# KiCad board B1_panel.kicad_pcb (continued)
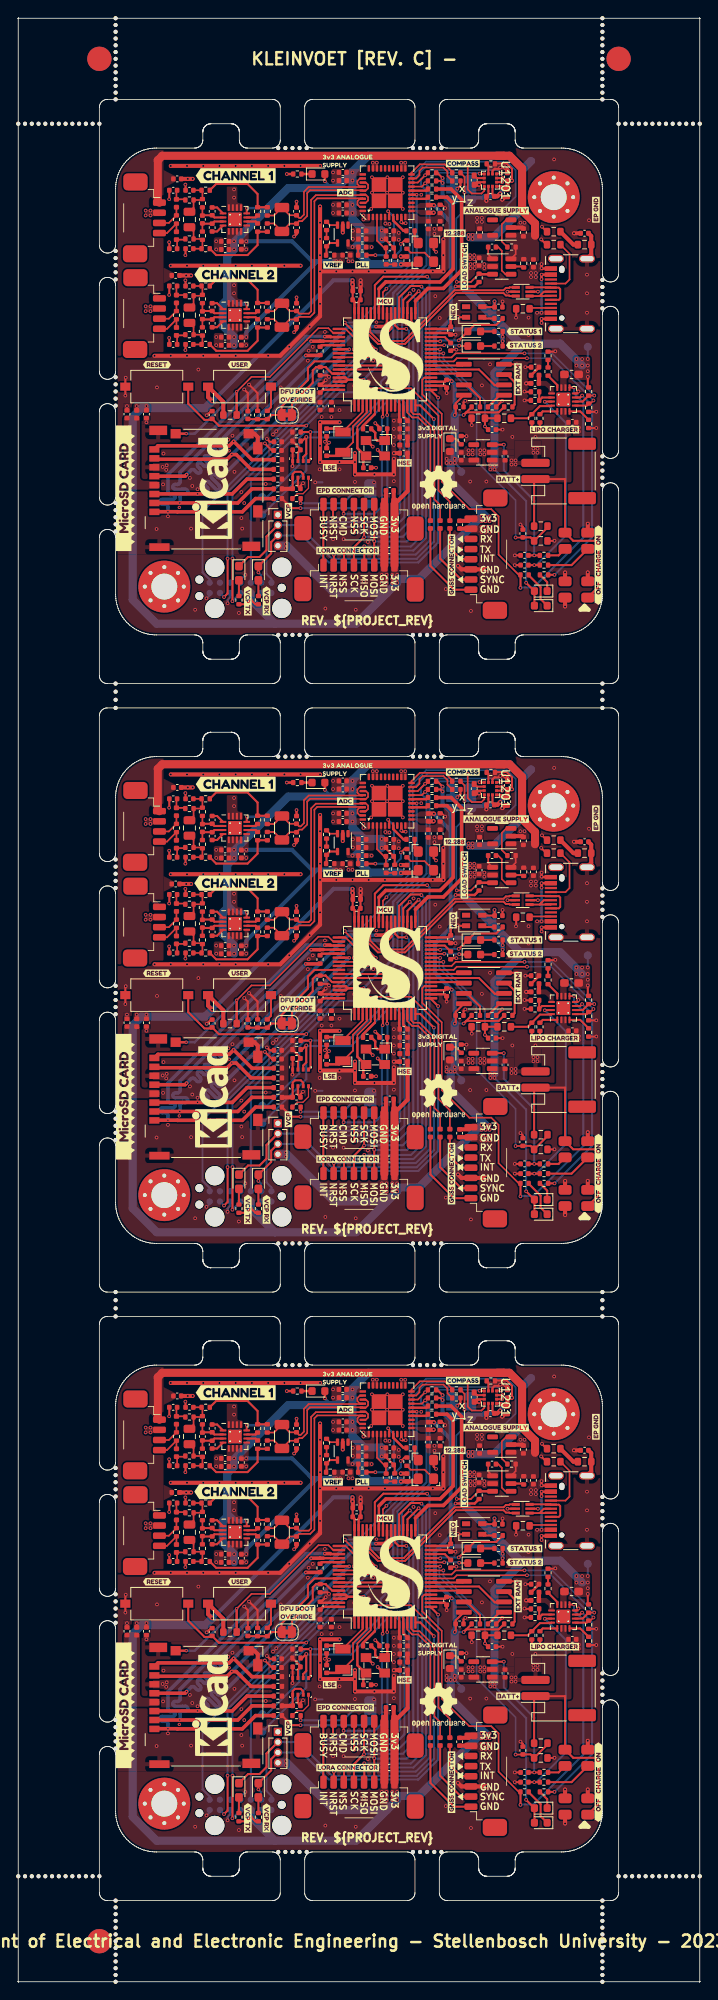
[diagram p0: board, top side]
## Routing (per net, layer and track width the routed paths; a pad name or vN(x,y) marks a point on that pad's centre or on a via; arc(x,y) is an arc through that point) (continued)
Board1_0-Net-(D102-A): length 1.9
  Top w0.25: D102.2 R103.2
Board1_0-Net-(D103-A): length 1.7
  Top w0.25: D103#3.2 R105#3.1
Board1_0-Net-(D104-A): length 1.7
  Top w0.25: D104#2.2 R107#3.1
Board1_0-Net-(D105-DIN): length 1.6
  Top w0.25: R104.1 57.35,205 D105#2.3
Board1_0-Net-(D901-K): length 2.4
  Top w0.25: R905#2.2 65.2,172.5 D901#2.1
Board1_0-Net-(D902-K): length 4.7
  Top w0.25: D902#2.1 64.38,170.41 64.38,171.88 62.92,173.35 R908#3.2
Board1_0-Net-(D903-K): length 1.3
  Top w0.3: D903#2.1 R918#3.2
Board1_0-Net-(D904-K): length 1.7
  Top w0.25: D904.1 53.9,190.19 R919#3.2
Board1_0-Net-(J301-Pin_5): length 5.6
  Top w0.25: J301.5 54.57,175.32 53.2,176.7 FB304.2
Board1_0-Net-(JP401-C): length 2.7
  Top w0.2: v1(55,220.5) 55.01,220.51 55.01,222.45 R408#3.2
Board1_0-Net-(JP402-C): length 1.1
  Top w0.25: R407#3.2 54.51,221.39 v1(54.12,220.99)
Board1_0-Net-(R108-Pad2): length 3.2
  Top w0.25: SW102#2.2 31.15,194.06 R108#3.2
Board1_0-Net-(R210-Pad2): length 2.8
  Top w0.5: R210.2 68.43,214.1 R211.1
Board1_0-Net-(R902-Pad2): length 0.9
  Top w0.25: R902#2.2 R903#3.1
Board1_0-Net-(U401-ADDR0/CLATCH): length 6.9
  Top w0.2: U401#2.19 49.05,222.25 49.45,222.65 49.45,223.2 49.85,223.6 52.41,223.6 52.9,223.11 52.9,222.54 R407#3.1
Board1_0-Net-(U401-ADDR1/CIN): length 6.2
  Top w0.2: U401#2.20 48.47,222.97 49.5,224 52.57,224 53.49,223.08 R408#3.1
Board1_0-Net-(U903-EN): length 4.5
  Top w0.2: R921.1 59.6,214.49 59.6,216.6 60.15,217.15 U903.3
Board1_0-Net-(U904-QOD): length 1.6
  Top w0.25: R922#3.1 62.19,211.4 U904#3.5
Board1_0-Net-(U1301-NU): length 4.9
  Top w0.25: U1301#3.3 60.25,198.09 61.18,197.16 61.18,194.37 R1301.2
Board1_0-Net-(U1301-~{CS}): length 2.6
  Top w0.25: U1301#3.1 59.34,195.55 R1303.1
Board1_0-Net-(U1301-~{HOLD}): length 3.8
  Top w0.25: R1302#3.2 56.91,195.21 55.3,196.81 U1301#3.7
Board1_0-Net-(X401-Tri-State): length 4
  Top w0.2: R404#2.2 48.38,213.11 50.09,213.11 X401#2.1
Board1_0-VBUS: length 9.7
  Top w0.25: U201#2.5 v1(64.05,208.3)
  Top w0.3: J206#3.A9 v1(64.5,210.4) v1(64.5,209.85) ; 63.22,198 64.18,198.97 C904#3.1
  Bottom w0.3: 64.5,208.3 v1(64.05,208.3) ; 64.5,208.3 v1(64.5,210.4) ; 64.5,208.3 v1(64.5,205.7) v1(63.95,205.7)
Board1_0-VCC: length 66.9
  Top w0.2: U904#3.1 57.92,212.89 C912#2.2
  Top w0.25: D902#2.2 D901#2.2 v1(62.6,172.42) ; D105#2.4 57.25,206.4 CB108#2.1 58.72,207.08 v1(58.7,207.1) ; v1(70.2,197.8) 70.2,196.61 R912.2
  Bottom w0.25: v1(58.7,186.4) 62.6,182.5 v1(62.6,172.42) ; 70.5,201.5 70.2,201.2 v1(70.2,200)
  Bottom w0.5: v1(58.7,207.1) 58.7,205.05 59,204.75
  Bottom w1: 62.33,201.9 66.8,201.9 v1(69.5,199.2) ; 62.33,201.9 58.7,198.27 v1(58.7,186.9) ; 62.33,201.9 61.85,201.9 54.9,208.85 54.9,210.85 54.9,210.85 54.9,212.25 55.05,212.4
  vias: v1(55.7,212.8) v1(55.7,212.3) v1(56.2,212.8) v1(56.2,212.3) v1(58.2,186.9) v1(58.2,186.4) v1(68.8,200) v1(68.8,199.2) v1(69.5,200) v1(70.2,199.2) v1(70.2,198.5)
Board1_0-VCC_LOAD_SWITCH: length 62.6
  Top w0.2: R921.2 61.31,212.92 U904#3.6
  Top w1: J501#3.4 17.2,219.47 17.2,224.5 17.75,225.05 59.85,225.05 59.85,225.05 ; 63.7,215.2 63.7,216.7 62.1,218.3 62.1,223.5 60.55,225.05 59,225.05
Board1_1-+3.3VA: length 3.1
  Top w0.3: CB902.1 47.98,117.44 47.45,117.97 U101#2.13
  Top w0.5: FB901#3.2 47.98,114.41 C902#2.1
Board1_1-+3.3VADC: length 114.6
  Top w0.2: v1(47.16,139.18) 47.58,139.61 R404#3.1
  Top w0.25: C403.1 45.32,139.67 46.4,138.59 R414#2.2 ; R413#3.2 41.89,138.77 C415.1 ; U801.12 28.16,131.76 v1(28.2,131.8) ; v1(28.2,143.6) 28.16,143.56 U701.12
  Top w0.3: v1(37.8,146.9) 37.8,147.79 D903.2
  Top w0.5: v1(47.17,136.65) 47.19,136.67 CB401.1 48.97,136.67 X401#3.4
  Bottom w0.25: v1(47.16,139.18) 47.16,138.44 45.42,136.7 43.3,136.7
  Bottom w0.3: v1(28.2,143.6) 30.8,143.6 31,143.8 ; 39.28,146.07 38.62,146.07 v1(37.8,146.9)
  Bottom w0.5: 25.75,133 26.95,131.8 v1(28.2,131.8) ; 42.15,139.43 41.83,139.43 v1(41.2,138.8)
  Bottom w1: v1(41.2,148) 39.28,146.07 33.28,146.07 26.6,139.4 v1(26.6,138.51) 25.75,137.66 25.75,132.32 25.2,131.77 25.2,129.11 v1(26.6,127.71) v1(26.6,126.71) ; v1(41.2,148) 41.2,148.11 43.14,150.05 60.55,150.05 62.1,148.5 ; v1(41.2,148) v1(41.2,147) v1(41.2,144) v1(41.2,143) 41.2,142.24 ; 42.15,140.7 42.15,137.85 43.3,136.7 47.12,136.7 ; 55.65,140 58.6,140 62.1,143.5 62.1,148.5 ; 62.1,148.5 62.3,148.5 TP904#2.1 ; v1(44.8,139.75) v1(44.8,140.85) 42.59,140.85 41.2,142.24 ; 41.2,142.24 42.15,141.29 42.15,139.43
  vias: v1(26.6,139.51) v1(55.5,140.3) v1(55.5,139.8) v1(56,140.3) v1(56,139.8)
Board1_1-+3V3: length 290.7
  Top w0.25: 53.44,122.37 v1(53.44,122.26) 53.27,122.43 CB104.1 ; v1(52.3,147.3) 51.65,147.95 R410.2 ; U1201#3.10 59.46,146.29 v1(59.6,146.15) ; CB1409#2.1 33.82,109.03 33.82,110.82 34.1,111.1 34.82,111.1 35.12,110.8 U1401#2.6 ; R1301#2.1 59.22,118.43 55.23,118.43 v1(54.9,118.1) 55.89,119.09 R1302#2.1 ; U1301#2.8 53.92,119.54 CB1301#2.1 53.92,118.22 v1(53.8,118.1) ; v1(52.3,146.7) 52.05,146.95 R412#2.2 ; v1(60.85,146.97) 60.86,146.99 60.86,148.44 60.2,149.1 58.81,149.1 R1201#2.1 ; v1(34.79,106.62) 33.69,106.62 R201.2 ; R107#2.2 59.71,127.19 v1(59.7,127.2) ; v1(59.71,127.75) R105.2 ; R102#3.1 29.22,94.78 v1(28.67,95.33) 28.12,94.78 R103#3.1 ; C107#2.1 41.22,133.38 CB105.1 ; U1401#2.2 34.47,113.5 CB1410.1 34.78,113.91 R1401.2 ; CB1202#2.1 58.45,145.28 U1201#3.9
  Top w0.3: CB105.1 41.45,132.07 U101#2.48 ; CB103#3.1 37.55,121.21 U101#2.64 ; R920#2.2 56.25,133.94 v1(53.9,133.94) ; U101#2.32 53.03,128.71 CB101#2.1 v1(53.3,129.9) ; CB104.1 52.58,122.21 U101#2.19
  Top w0.5: CB1202#2.1 59.05,145.05 v1(59.4,145.4) ; v1(51.23,143.95) 51.2,143.98 C408#2.1 ; v1(41.2,134.7) v1(41.2,134.2) 41.24,134.16 C107#2.1 ; v1(60.85,146.97) 60.31,146.97 C1202#2.1 CB1201#2.1 59.82,145.93 v1(59.6,146.15) ; R206#2.1 25.28,119.72 SW102.1 23.4,120.3 v1(23.9,119.8) ; R202.2 33.79,109 CB1409#2.1 ; C306#2.1 55.53,105.06 J301#3.1 ; C205#2.1 46.28,107.19 J207#2.1 47.98,108.71 C901.1
  Top w1: J207#2.1 J205.1
  Bottom w0.25: JP1401.3 42.92,106.62 v1(34.79,106.62) ; v1(59.7,127.2) 59.7,127.74 v1(59.71,127.75) ; v1(53.8,112.2) 54.6,111.4 TP903#2.1 ; v1(53.8,118.1) v1(54.9,118.1)
  Bottom w0.3: v1(36.2,120.6) 35.9,120.3 v1(35.9,120.2) v1(31.8,116.1) v1(31.4,115.7) ; 53.3,132.1 53.3,133.34 v1(53.9,133.94)
  Bottom w0.5: v1(23.9,119.8) 23.95,119.8 38.85,134.7 v1(41.2,134.7) ; 52.07,128.68 51.35,127.95 51.35,124.35 53.8,121.9 v1(53.8,118.1) ; 52.07,128.68 58.62,128.68 59.7,127.6 v1(59.7,127.2) ; 52.07,128.68 v1(53.3,129.9) 53.3,141.75 ; v1(51.23,143.95) 53.3,141.88 53.3,141.75 ; 53.3,141.75 53.3,143.8 ; 53.3,143.8 53.3,144.4 ; 53.3,143.8 53.3,144.15 ; 53.3,144.15 52.3,145.15 v1(52.3,146.7) v1(52.3,147.3) ; 53.3,144.15 53.3,144.9 57.25,144.9 57.45,145.1 57.95,145.1 57.95,145.1 59.1,145.1 v1(59.4,145.4) 59.6,145.6 v1(59.6,146.15)
  Bottom w1: 31.63,92.37 17.06,92.37 14.1,95.33 14.1,117.85 15.2,118.95 23.05,118.95 v1(23.9,119.8) ; 31.63,92.37 41.65,92.37 45.44,96.16 ; 31.63,92.37 v1(28.67,95.33) 28.67,96.16 ; 45.44,96.16 38.94,96.16 33.11,101.99 J203#3.4 ; 45.44,96.16 46.7,97.43 46.6,97.5 v1(46.7,97.9) 49.4,97.9 v1(57.1,105.6) v1(57.6,105.6) 53.3,109.9 v1(53.3,112.2) ; v1(53.8,112.7) v1(53.8,118.1)
  vias: v1(14.6,119.2) v1(15.8,119.2) v1(33,102.2) v1(33,101.7) v1(46.1,98.4) v1(46.1,97.9) v1(46.1,97.4) v1(46.7,98.4) v1(46.7,97.4) v1(52.8,112.7) v1(52.8,112.2) v1(57.1,105) v1(57.6,105) v1(58.1,105.6) v1(58.1,105)
Board1_1-+BATT: length 27.9
  Top w0.25: SW901#3.1 71.5,96.9 71.5,102.2 71.1,102.6 68.4,102.6 SW901#3.8 67.4,110.2 J201.1 63.58,110.03 R913.1
Board1_1-/ADC_Interface/ADC_1_N: length 17.9
  Top w0.2: U401#3.32 42.11,147.25 41.8,146.94 41.8,146.56 42.11,146.25 U401#3.34 42.41,146.2 35.8,146.2 35.21,145.61 35.21,142.8 34.82,142.4 34.62,142.4 C711#2.1 33.46,142.72 C710#3.2 31.51,142.69 R710#3.1
Board1_1-/ADC_Interface/ADC_1_P: length 17.9
  Top w0.2: U401#3.33 42.85,146.75 43.12,146.49 43.12,146.04 42.82,145.75 U401#3.35 42.41,145.8 35.97,145.8 35.61,145.45 35.61,142.63 34.98,142 34.62,142 C709#2.2 33.46,141.68 32.5,140.72 31.51,141.71 R709#3.1
Board1_1-/ADC_Interface/ADC_2_N: length 28.8
  Top w0.2: R810#2.1 31.51,130.89 C810.2 33.46,130.92 C811#2.1 34.62,130.6 35.82,130.6 36.1,130.88 36.1,144.61 36.69,145.2 42.41,145.2 U401#3.36 42.82,145.25 43.12,144.96 43.12,144.54 42.82,144.25 U401#3.38
Board1_1-/ADC_Interface/ADC_2_P: length 28.8
  Top w0.2: R809.1 31.51,129.91 C810.1 33.46,129.88 C809#3.2 34.62,130.2 35.98,130.2 36.5,130.72 36.5,144.45 36.85,144.8 42.41,144.8 U401#3.37 42.11,144.75 41.81,144.46 41.81,144.03 42.1,143.75 U401#3.39
Board1_1-/ADC_Interface/ADC_AA_1/FB: length 1.6
  Top w0.25: C706.1 24.51,140.72 U701.4
Board1_1-/ADC_Interface/ADC_AA_1/FB_N: length 4.9
  Top w0.2: C703#2.2 21.61,140.74 R701#2.1 22.59,139.8 R703#2.2 22.7,138.71 R705#3.2 C701#2.1
Board1_1-/ADC_Interface/ADC_AA_1/FB_P: length 4.9
  Top w0.2: C703#2.1 21.61,143.66 R702#2.1 22.59,144.6 R704#2.2 22.7,145.69 R706#3.2 C702.1
Board1_1-/ADC_Interface/ADC_AA_1/IN: length 3.7
  Top w0.2: R704#2.1 C704.1
  Top w0.25: C704.1 22.74,142.72 C707.2 24.17,142.45 U701.2
Board1_1-/ADC_Interface/ADC_AA_1/OUT: length 1.4
  Top w0.25: R707#2.2 29.26,141.95 U701.10
Board1_1-/ADC_Interface/ADC_AA_1/OUT_DRIVER: length 9.6
  Top w0.25: R705#3.1 24.4,137.81 28.26,137.81 29.5,139.05 R707#2.1 R709#3.2
Board1_1-/ADC_Interface/ADC_AA_1/~{FB}: length 1.6
  Top w0.25: C707.1 24.51,143.68 U701.1
Board1_1-/ADC_Interface/ADC_AA_1/~{IN}: length 3.7
  Top w0.2: R703#2.1 C704.2
  Top w0.25: U701.3 24.17,141.95 C706.2 22.74,141.68 C704.2
Board1_1-/ADC_Interface/ADC_AA_1/~{OUT_DRIVER}: length 9.6
  Top w0.25: 29.5,143.7 29.5,145.34 28.26,146.57 24.38,146.57 R706#3.1 ; R710#3.2 R708#2.1
Board1_1-/ADC_Interface/ADC_AA_1/~{OUT}: length 1.4
  Top w0.25: U701.11 29.26,142.45 R708#2.2
Board1_1-/ADC_Interface/ADC_AA_2/FB: length 1.6
  Top w0.25: C806.1 24.51,128.92 U801.4
Board1_1-/ADC_Interface/ADC_AA_2/FB_N: length 4.9
  Top w0.2: C803#3.2 21.61,128.94 R801.1 22.59,128 R803.2 22.7,126.91 R805#2.2 C801.1
Board1_1-/ADC_Interface/ADC_AA_2/FB_P: length 4.9
  Top w0.2: C802#3.1 R806.2 22.7,133.89 R804.2 22.59,132.8 R802#2.1 21.61,131.86 C803#3.1
Board1_1-/ADC_Interface/ADC_AA_2/IN: length 3.7
  Top w0.2: R804.1 C804#3.1
  Top w0.25: U801.2 24.17,130.65 C807#2.2 22.74,130.92 C804#3.1
Board1_1-/ADC_Interface/ADC_AA_2/OUT: length 1.4
  Top w0.25: U801.10 29.26,130.15 R807#3.2
Board1_1-/ADC_Interface/ADC_AA_2/OUT_DRIVER: length 9.6
  Top w0.25: R809.2 R807#3.1 29.5,127.25 28.26,126.01 24.4,126.01 R805#2.1
Board1_1-/ADC_Interface/ADC_AA_2/~{FB}: length 1.6
  Top w0.25: C807#2.1 24.51,131.88 U801.1
Board1_1-/ADC_Interface/ADC_AA_2/~{IN}: length 3.7
  Top w0.2: R803.1 C804#3.2
  Top w0.25: C804#3.2 22.74,129.88 C806.2 24.17,130.15 U801.3
Board1_1-/ADC_Interface/ADC_AA_2/~{OUT_DRIVER}: length 9.6
  Top w0.25: 29.5,131.9 29.5,133.54 28.26,134.78 24.38,134.78 R806.1 ; R810#2.2 R808#3.1
Board1_1-/ADC_Interface/ADC_AA_2/~{OUT}: length 1.4
  Top w0.25: R808#3.2 29.26,130.65 U801.11
Board1_1-/ADC_Interface/ADC_PORT_1_SIG_N: length 2.3
  Top w0.2: C502#3.2 19.58,139.63 FB502#2.2 20.5,139.72 R701#2.2
Board1_1-/ADC_Interface/ADC_PORT_1_SIG_P: length 2.3
  Top w0.2: C501#2.1 19.5,145.72 FB501#2.2 20.5,144.69 R702#2.2
Board1_1-/ADC_Interface/ADC_PORT_2_SIG_N: length 2.3
  Top w0.2: R801.2 20.5,127.91 FB602.2 19.58,127.84 C602#2.2
Board1_1-/ADC_Interface/ADC_PORT_2_SIG_P: length 2.3
  Top w0.2: C601.1 19.5,133.92 19.5,132.88 20.5,132.88 R802#2.2
Board1_1-/ADC_Interface/ADC_~{RST}: length 9.2
  Top w0.2: v1(45.59,143.21) 45.72,143.09 U401#3.6
  Top w0.25: R413#3.1 v1(44.02,137.8)
  Bottom w0.25: v1(44.02,137.8) 45.2,137.8 46.3,138.9 46.3,142.5 v1(45.59,143.21)
Board1_1-/ADC_Interface/BCLK: length 2.1
  Top w0.3: R409.2 50.29,145.75 48.47,145.75 U401#3.16
Board1_1-/ADC_Interface/CLK: length 2.6
  Top w0.3: R405.1 47.48,140.8 46.22,142.07 U401#3.7
Board1_1-/ADC_Interface/CLK_12.288: length 1.7
  Top w0.3: R405.2 48.86,139.74 X401#3.3
Board1_1-/ADC_Interface/FB: length 1.5
  Top w0.2: U402#3.3 38.41,141.5 R401#2.2
Board1_1-/ADC_Interface/FB_MID: length 1
  Top w0.2: R401#2.1 R402#3.2
Board1_1-/ADC_Interface/PLL: length 5.5
  Top w0.2: C413#2.1 45.32,137.66 C414#2.1 45.11,138.7 44.22,139.59 U401#3.3
Board1_1-/ADC_Interface/PLL_MID: length 1.1
  Top w0.2: C413#2.2 46.37,136.67 R414#2.1
Board1_1-/ADC_Interface/SDATA: length 2.1
  Top w0.3: U401#3.14 48.47,144.75 50.29,144.75 R411.2
Board1_1-/ADC_Interface/Sensor_Conn_1/SIG_CONN_N: length 3.6
  Top w0.2: J501.1 18.34,140.53 R501#3.2 FB502#2.1
Board1_1-/ADC_Interface/Sensor_Conn_1/SIG_CONN_P: length 3.5
  Top w0.2: FB501#2.1 R501#3.1 18.56,141.78 J501.2
Board1_1-/ADC_Interface/Sensor_Conn_2/SIG_CONN_N: length 3.6
  Top w0.2: J601.1 18.34,128.72 R601#2.2 19.5,128.88
Board1_1-/ADC_Interface/Sensor_Conn_2/SIG_CONN_P: length 3.5
  Top w0.2: FB601.1 R601#2.1 18.56,129.97 J601.2
Board1_1-/ADC_Interface/VCM: length 27.4
  Bottom w0.5: v1(28.1,139.51) 33.74,139.51 36.2,137.05 v1(39.2,137.05) 36.85,137.05 28.1,128.3 v1(28.1,127.71)
  vias: v1(39.7,137.05)
Board1_1-/ADC_Interface/VREF_BUFF: length 2.6
  Top w0.25: U402#3.4 38.41,139.3 R402#3.1 38,137.86 R406.2
Board1_1-/ADC_SAI_BCLK: length 21.2
  Top w0.3: U101#2.33 48.95,132.15
  Top w0.44: 48.95,132.15 50.5,133.7 52.4,133.7 54.65,135.95 54.65,144.65 53.35,145.95 R409.1
Board1_1-/ADC_SAI_FS: length 30.5
  Top w0.3: U401#3.15 v2(49.12,145.25) ; 40.6,122.45 40.34,122.71 U101#2.61 ; 40.6,122.45 40.36,122.21 U101#2.62 ; 40.6,122.45 42.54,122.45 v2(42.57,122.47)
  Bottom w0.3: v2(42.57,122.47) 42.57,122.48 46.2,126.11 46.2,133.11 49.1,136.01 49.1,145.22 v2(49.12,145.25)
Board1_1-/ADC_SAI_SD_B: length 23.7
  Top w0.3: 44.45,133.65 U101#2.42
  Top w0.44: 44.45,133.65 45.3,134.5 52,134.5 53.6,136.1 53.6,144.2 52.85,144.95 R411.1
Board1_1-/BATT_~{CHG}: length 63.4
  Top w0.2: U101#2.20 50.06,122.71 49.8,122.45 49.8,120.65 52.2,118.25 52.2,109.9 55.6,106.5 58.3,106.5 59.2,105.6 59.2,100.89 61.69,98.4 R908.1
  Top w0.25: v1(68.5,121.5) 67.97,121.5 U901.9 ; R908.1 61.9,98.4 v1(61.9,96.8)
  Bottom w0.25: v1(68.5,121.5) 68.5,120.76 69.65,119.61 69.65,103 63.5,96.85 61.95,96.85 v1(61.9,96.8)
Board1_1-/BOOT0: length 10.3
  Top w0.25: JP101#2.1 33.75,119.53 36.3,122.08 36.3,123.6 36.71,124.01 R101#2.1 37.89,124.01 37.9,124 37.9,123.99 38.68,123.21 U101#2.60
Board1_1-/CHARGE_EN1: length 25.1
  Top w0.2: R912#3.1 70.31,120.5 v1(71,120.5) ; U101#2.25 50.88,125.2 53.41,125.2 53.91,125.7 v1(62.4,125.7)
  Top w0.25: R912#3.1 69.57,119.76 U901.6
  Bottom w0.2: v1(62.4,125.7) 65.8,125.7 v1(71,120.5)
Board1_1-/CHARGE_EN2: length 24.8
  Top w0.2: U101#2.24 53.67,124.71 54.06,125.1 v1(62.7,125.1) ; v1(70.9,119.89) 70.52,119.51 R917.1
  Top w0.25: U901.5 70.05,119.26 R917.1
  Bottom w0.2: v1(62.7,125.1) 65.69,125.1 v1(70.9,119.89)
Board1_1-/CompassMagnetometer/CHARGE_PUMP: length 1.4
  Top w0.25: C1201.2 56.52,147.3 U1201#3.5
Board1_1-/CompassMagnetometer/~{CS}: length 1.3
  Top w0.25: R1201#2.2 57.95,148.84 U1201#3.3
Board1_1-/CONN_MISO: length 43.6
  Top w0.25: v1(49.35,133.36) 47.97,131.99 47.97,130.66 U101#2.35 ; v1(42.65,101.92) 42.65,99.62 J205.4
  Bottom w0.25: v1(49.35,133.36) 49.8,132.91 49.8,103.3 48.4,101.9 42.67,101.9 v1(42.65,101.92)
Board1_1-/CONN_MOSI: length 45.9
  Top w0.25: U101#2.36 47.45,132.28 v1(48.26,133.09) ; J205.3 v1(43.88,102.55) J207#2.3
  Bottom w0.25: v1(43.88,102.55) 43.93,102.5 47.9,102.5 49.25,103.85 49.25,132.1 v1(48.26,133.09)
Board1_1-/CONN_SCK: length 41
  Top w0.25: v1(48.45,129.5) U101#2.34 ; J205.5 41.38,101.8 v1(42.62,103.05) J207#2.4
  Bottom w0.25: v1(42.62,103.05) 42.68,103.1 47.4,103.1 48.7,104.4 48.7,129.25 v1(48.45,129.5)
Board1_1-/Connectors/SDIO_CLK_TERM: length 32.5
  Top w0.44: J204#3.5 20.56,110.56 v2(20.75,110.75) ; v2(35.45,125.45) 37.16,125.45 R207.1
  Bottom w0.44: v2(35.45,125.45) 24.69,114.69 arc(24.61,114.48) 24.69,114.27 24.98,113.99 arc(25.06,113.77) 24.98,113.56 arc(24.76,113.47) 24.55,113.56 24.27,113.85 arc(24.06,113.93) 23.85,113.85 arc(23.76,113.63) 23.85,113.42 24.13,113.14 arc(24.22,112.93) 24.13,112.71 arc(23.92,112.63) 23.7,112.71 23.42,113 arc(23.21,113.08) 23,113 arc(22.91,112.78) 23,112.57 23.28,112.29 arc(23.37,112.08) 23.28,111.87 arc(23.07,111.78) 22.86,111.87 22.57,112.15 arc(22.36,112.24) 22.15,112.15 arc(22.06,111.94) 22.15,111.72 22.43,111.44 arc(22.52,111.23) 22.43,111.02 arc(22.22,110.93) 22.01,111.02 21.72,111.3 arc(21.51,111.39) 21.3,111.3 v2(20.75,110.75)
Board1_1-/Connectors/USB_CC1: length 2.7
  Top w0.2: J206.A5 63.12,131.3 R209#3.2
Board1_1-/Connectors/USB_CC2: length 7.3
  Top w0.2: R208#2.2 67.95,137.97 67.95,134.8 67.45,134.3 J206.B5
Board1_1-/Connectors/USB_CONN_D+: length 4.3
  Top w0.23: J206.A6 65.61,132.76 64.25,132.76 ; 64.25,132.76 64.79,133.3 J206.B6 ; 64.25,132.76 U201#3.4
Board1_1-/Connectors/USB_CONN_D-: length 6.2
  Top w0.23: U201#3.6 65.61,133.84 J206.A7 66.63,133.8 66.8,133.63 66.8,132.47 66.63,132.3 J206.B7
Board1_1-/EnviromentalSensor/I2C_ADDR: length 3.8
  Top w0.15: R1403.1 34.38,108.4 35.09,108.4 35.78,109.07 U1401#2.5
Board1_1-/EnviromentalSensor/I2C_ADDR_SEL: length 9.7
  Top w0.25: R1403.2 34.81,107.24 v1(34.8,107.22)
  Bottom w0.25: v1(34.8,107.22) 40.03,107.22 41.21,108.4 JP1401.2
Board1_1-/EPD_BUSY: length 28.4
  Top w0.25: v1(45.95,120.55) U101#2.10 ; v1(37.6,104.9) 37.6,107.07 J207#2.8
  Bottom w0.25: v1(37.6,104.9) 45.9,104.9 47.07,106.07 47.07,119.43 v1(45.95,120.55)
Board1_1-/EPD_~{CMD}: length 18.8
  Top w0.25: v1(40.1,105.92) 40.1,107.07 J207#2.6 ; v1(44.91,117.89) 44.95,117.93 U101#2.8
  Bottom w0.25: v1(44.91,117.89) 44.82,117.8 44.82,106.82 43.92,105.92 v1(40.1,105.92)
Board1_1-/EPD_~{RST}: length 21.7
  Top w0.25: U101#2.9 45.45,118.12 v1(45.47,118.1) ; J207#2.7 38.8,107.03 v1(38.8,105.42)
  Bottom w0.25: v1(38.8,105.42) 38.82,105.4 44.5,105.4 45.5,106.4 45.5,118.07 v1(45.47,118.1)
Board1_1-/EPD_~{SS}: length 37.8
  Top w0.25: J207#2.5 41.4,107.07 v1(41.4,103.6) ; v1(47.83,128.72) 46.88,128.72 46.45,129.15 U101#2.38
  Bottom w0.25: v1(47.83,128.72) 47.88,128.72 48.15,128.45 48.15,104.95 46.8,103.6 v1(41.4,103.6)
Board1_1-/GNSS_Module/GPS_RX: length 8.6
  Top w0.25: 52,104.12 52,100.4 54.57,97.82 J301#3.7
Board1_1-/GNSS_Module/GPS_TX: length 10.8
  Top w0.25: 50.8,104.12 50.8,99.5 53.72,96.57 J301#3.8
Board1_1-/GPS_RX: length 16.1
  Top w0.2: FB102#2.2 52,107 51.3,107.7 51.3,116.37 49.47,118.2 48.73,118.2 48.45,118.48 U101#2.15
Board1_1-/GPS_SYNC: length 26.4
  Top w0.2: FB304#3.1 53.2,107.4 51.8,108.8 51.8,118 48.4,121.4 42.7,121.4 41.95,120.65 U101#2.2
Board1_1-/GPS_TX: length 15.8
  Top w0.2: U101#2.14 47.95,118.41 48.56,117.8 49.3,117.8 50.8,116.3 FB101#2.2
Board1_1-/I2C1_SCL: length 75.1
  Top w0.2: v1(59.52,147.86) 59,147.86 U1201#3.1 ; U401#3.18 49.25,146.75 v1(50.15,147.65)
  Top w0.25: U101#2.58 45.23,124.21 v1(45.25,124.23) ; R1402.1 v1(36,116) 36.03,115.97 36.03,112.68 U1401#2.4
  Bottom w0.2: v1(59.52,147.86) 59.08,148.3 50.8,148.3 v1(50.15,147.65)
  Bottom w0.25: v1(50.15,147.65) 49.63,147.13 49.63,146.44 50.32,145.74 50.32,136.56 46.75,132.99 46.75,125.7 45.28,124.23 v1(45.25,124.23) 45.25,122.75 44.7,122.2 44.7,120 40.7,116 v1(36,116) 35.36,116 34.65,115.29 34.65,111.98 30.65,107.97 TP407#3.1
Board1_1-/I2C1_SDA: length 73.7
  Top w0.2: R412#2.1 50.45,146.95 v1(50.15,146.66) 49.75,146.25 U401#3.17
  Top w0.25: v1(46.05,123.75) 46.01,123.71 U101#2.59 ; v1(56.86,147.85) 56.9,147.81 U1201#3.4 ; U1401#2.3 35.12,112.93 35.5,113.3 v1(35.5,115.4) 35,114.9 R1401.1
  Bottom w0.2: v1(50.15,146.66) 51.44,147.95 56.76,147.95 v1(56.86,147.85)
  Bottom w0.25: v1(50.15,146.66) 50.7,146.11 50.7,136.3 47.3,132.9 47.3,125 v1(46.05,123.75) 46.05,122.4 45.43,121.78 45.43,119.72 41.03,115.32 35.57,115.32 v1(35.5,115.4) 35.5,111.25 TP406.1
Board1_1-/I_CHARGE: length 15.8
  Top w0.2: v1(52.4,125.7) 52.38,125.68 50.9,125.68 U101#2.26
  Top w0.25: R915#3.2 R916.1 v1(57.53,116.69) CB907#3.1
  Bottom w0.2: v1(52.4,125.7) 52.4,124.99 57.53,119.87 v1(57.53,116.69)
Board1_1-/LED_STATUS_B: length 10
  Top w0.2: v1(52,127.18) 51.98,127.21 U101#2.29
  Top w0.25: R104#3.2 58.91,129.2 56.21,129.2 D103.1 55.4,128.4 v1(54.3,127.3)
  Bottom w0.25: v1(52,127.18) 52.12,127.3 v1(54.3,127.3)
Board1_1-/LED_STATUS_O: length 4.6
  Top w0.2: U101#2.28 50.9,126.68 52.48,126.68 v1(52.5,126.7)
  Top w0.25: v1(54.35,126.65) 54.4,126.6 D104#3.1
  Bottom w0.25: v1(52.5,126.7) 54.3,126.7 v1(54.35,126.65)
Board1_1-/LORA_INT: length 31.9
  Top w0.25: v1(37.6,104.3) 37.6,99.62 J205.8 ; U101#2.11 46.45,120.12 46.76,120.43 v1(46.76,120.48)
  Bottom w0.25: v1(46.76,120.48) 47.6,119.64 47.6,105.5 46.4,104.3 v1(37.6,104.3)
Board1_1-/LORA_~{RST}: length 56.8
  Top w0.25: v1(50.4,135.15) 45,135.15 43.95,134.1 U101#2.43 ; v1(38.9,100.9) 38.9,99.62 J205.7
  Bottom w0.25: v1(50.4,135.15) 50.7,134.85 50.7,102.6 49,100.9 v1(38.9,100.9)
Board1_1-/LORA_~{SS}: length 49.1
  Top w0.25: J205.6 40.15,99.62 v1(40.15,101.42) ; U101#2.37 46.95,132.6 48.35,134 49.63,134 v1(49.7,133.93)
  Bottom w0.25: v1(49.7,133.93) 50.25,133.38 50.25,102.95 48.7,101.4 40.17,101.4 v1(40.15,101.42)
Board1_1-/MAG_INT: length 44.9
  Top w0.2: v1(55.4,148.87) 55.4,145.9 55.9,145.4 57.1,145.4 57.45,145.75 U1201#3.7 ; U101#2.56 43.11,125.21 43.58,125.68 43.58,126.13 43.29,126.42 43.28,126.42 40.25,129.45 v1(40.25,129.5)
  Bottom w0.2: v1(40.25,129.5) 41.93,129.5 48.62,136.2 48.62,147.07 50.45,148.9 55.37,148.9 v1(55.4,148.87)
Board1_1-/OSC_HSE_IN: length 9
  Top w0.2: 41.8,116.3 41.8,116.7 43.45,118.35 U101#2.5
  Top w0.3: C102#3.1 42.53,112.72 Y101#2.1
  Top w0.306: Y101#2.1 42.76,113.05 41.8,114.01 41.8,116.3
Board1_1-/OSC_HSE_OUT: length 3.5
  Top w0.2: U101#2.6 43.95,118.2
  Top w0.306: R106.2 42.49,116.75 43.94,118.2 43.95,118.2
Board1_1-/OSC_LSE_IN: length 6.5
  Top w0.2: U101#2.3 42.45,118.48 40.01,116.04 Y102#3.2
  Top w0.306: C106#3.1 39.58,116.43 Y102#3.2
Board1_1-/OSC_LSE_OUT: length 9.2
  Top w0.2: Y102#3.1 41.26,114.75 41.26,116.72 42.95,118.41 U101#2.4
  Top w0.306: C105#3.1 39.58,113.07 Y102#3.1
Board1_1-/Power/C_{T}: length 4.7
  Top w0.2: U904.4 60.05,135.45 59.6,135.9 59.6,138.35 59.15,138.8 C912.1
Board1_1-/Power/DPWR_SW: length 2.4
  Top w0.25: SW901#3.7 66.6,100.8 R911.2
Board1_1-/Power/ILIM: length 1.9
  Top w0.25: R902#3.1 66.44,121.8 U901.12
Board1_1-/Power/ISET: length 5.7
  Top w0.25: R915#3.1 62.8,117.7 R901#2.1 64.3,119.2 65.67,119.2 U901.16
Board1_1-/Power/PWR_SW: length 5.7
  Top w0.25: SW901#3.3 68.2,99.6 R910#3.1
Board1_1-/Power/SYSOFF: length 25.2
  Top w0.25: v1(64.9,119.73) 64.92,119.76 U901.15 ; R910#3.2 v1(63.6,99.6) CB903.1
  Bottom w0.25: v1(64.9,119.73) 67.5,117.13 67.5,103.26 63.84,99.6 v1(63.6,99.6)
Board1_1-/Power/TEMP_SENS: length 2.3
  Top w0.25: R909#3.1 64.65,118.55 U901.1
Board1_1-/Power/TMR: length 2.7
  Top w0.25: R904.1 R906#3.1 64.57,120.26 U901.14
Board1_1-/Power/~{CE}: length 2.8
  Top w0.25: R907#3.1 69.26,118.55 U901.4
Board1_1-/Power/~{PGOOD}: length 26.2
  Top w0.25: v1(69.5,120.5) 69.26,120.26 U901.7 ; v1(66.1,98.4) R905.1
  Bottom w0.25: v1(66.1,98.4) 70.72,103.03 70.72,119.28 v1(69.5,120.5)
Board1_1-/SDIO_CD: length 28.6
  Top w0.2: v2(26.93,120.97) 28.75,122.8 31,122.8 35.56,127.36 35.56,127.37 36.99,128.8 38.23,128.8 38.82,128.21 U101#2.50
  Top w0.306: v2(26.93,120.97) R206#2.2 ; v2(20.7,115.8) J204#3.10
  Bottom w0.306: v2(26.93,120.97) 21.75,115.8 v2(20.7,115.8)
Board1_1-/SDIO_CLK: length 2.4
  Top w0.3: R207.2 37.4,126.71 U101#2.53
Board1_1-/SDIO_CMD: length 47.5
  Top w0.3: 40.79,126.21 U101#2.54
  Top w0.44: R203#3.1 28.2,110.2 26.38,108.38 v2(22.1,108.38) 16.8,108.38 J204#3.3
  Bottom w0.44: v2(22.1,108.38) 22.98,108.38 23.32,108.72 arc(23.41,108.94) 23.32,109.15 23.04,109.43 arc(22.95,109.64) 23.04,109.86 arc(23.25,109.94) 23.47,109.86 24.35,108.97 arc(24.56,108.88) 24.77,108.97 arc(24.86,109.18) 24.77,109.4 23.89,110.28 arc(23.8,110.49) 23.89,110.7 arc(24.1,110.79) 24.31,110.7 24.6,110.42 arc(24.81,110.33) 25.02,110.42 40.78,126.18 40.78,126.2
  vias: v2(40.8,126.2)
Board1_1-/SDIO_D0: length 43.6
  Top w0.3: 45.95,128.85 U101#2.39
  Top w0.44: R204#2.1 28.7,111.4 26.88,113.22 v2(26.32,113.22) 25.75,112.65 16.88,112.65 J204#3.7 ; v2(45.45,128.35) 45.95,128.85
  Bottom w0.44: v2(26.32,113.22) 41.45,128.35 v2(45.45,128.35)
Board1_1-/SDIO_D1: length 42.3
  Top w0.3: 45.45,129.3 U101#2.40
  Top w0.44: J204#3.8 17.22,114.3 26,114.3 v2(26.55,114.85) 28.8,112.6 R205#3.1 ; v2(44.1,129) 45.15,129 45.45,129.3
  Bottom w0.44: v2(44.1,129) 40.7,129 v2(26.55,114.85)
Board1_1-/SDIO_D2: length 51.2
  Top w0.3: U101#2.51 38.53,127.71 38.47,127.77
  Top w0.44: J204#3.1 16.8,106.18 v2(18.45,106.18) 19.61,106.18 19.62,106.17 27.62,106.17 29.25,107.8 R201.1 ; v2(37.79,127.77) 38.47,127.77
  Bottom w0.44: v2(18.45,106.18) 18.45,106.8 arc(18.36,107.01) 18.15,107.1 17.75,107.1 arc(17.54,107.19) 17.45,107.4 arc(17.54,107.61) 17.75,107.7 19.05,107.7 arc(19.26,107.79) 19.35,108 arc(19.26,108.21) 19.05,108.3 18.75,108.3 arc(18.54,108.39) 18.45,108.6 18.45,110.75 35.47,127.77 v2(37.79,127.77)
Board1_1-/SDIO_D3: length 48.4